# Altium PCB braking_io.PcbDoc (part 2 of 4) (continued)
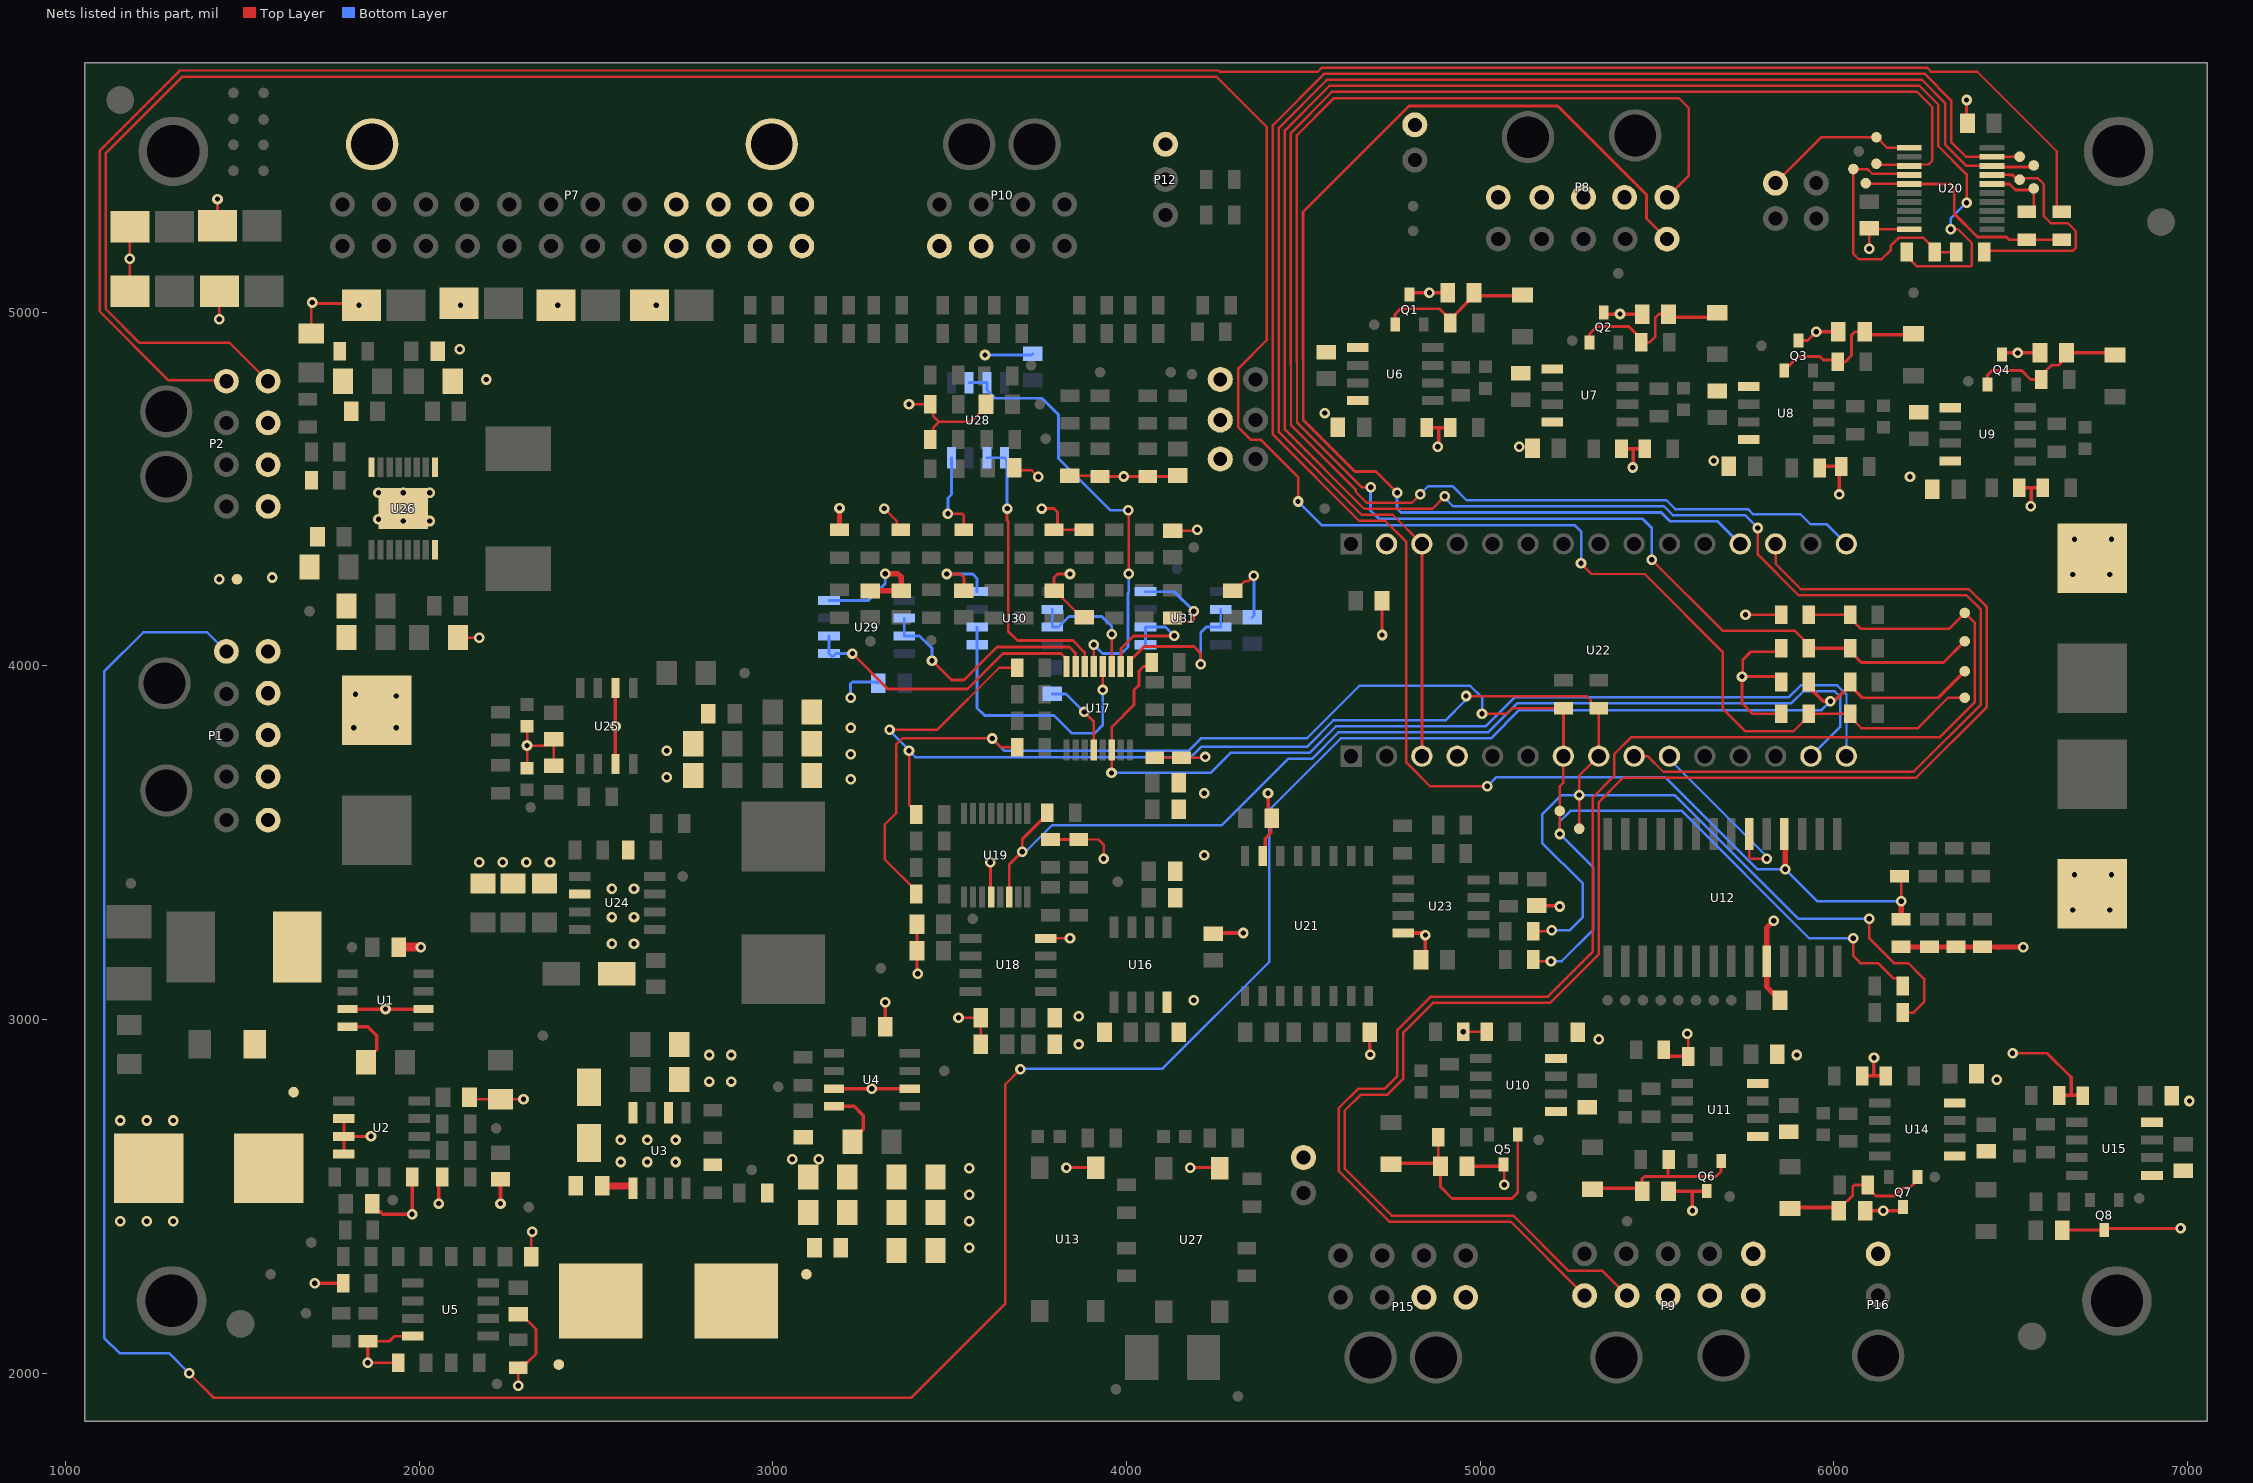
[diagram p4: the nets of this part, all layers, seen from the top]
## Part data (continued)
Q1 Q2 Q3 Q4 Q5 Q6 Q7 Q8: Case/Package=SOT-23, Collector Base Voltage (VCBO)=40V, Collector Emitter Saturation Voltage=-400mV, Continuous Collector Current=-200mA, Emitter Base Voltage (VEBO)=6V, Frequency=250MHz, Manufacturer="Diodes Zetex", Max Collector Current=200mA, Max Operating Temperature=150°C, Max Power Dissipation=300mW, Min Operating Temperature=-55°C, Package Quantity=3000, Voltage Rating (DC)=-40V, Collector Emitter Breakdown Voltage=40V, Collector Emitter Voltage (VCEO)=40V, ComponentLink1Description=https://datasheet.ciiva.com/27052/1540746-27052408.pdf?src-supplier=Jameco, ComponentLink1URL=https://datasheet.ciiva.com/27052/1540746-27052408.pdf?src-supplier=Jameco, ComponentLink2Description=https://datasheet.ciiva.com/15139/getdatasheetpartid-255292-15139821.pdf?src-supplier=Verical, ComponentLink2URL=https://datasheet.ciiva.com/15139/getdatasheetpartid-255292-15139821.pdf?src-supplier=Verical, Contact Plating=Tin,Matte, Current Rating=-200mA, Element Configuration=Single, Gain Bandwidth Product=250MHz, Height=1mm, hFE Min=100, Lead Free="Lead Free", Length=3.05mm, Manufacturer Part Number=MMBT3906-7-F, Max Breakdown Voltage=40V, Max Frequency=250MHz, Mount="Surface Mount", Number of Elements=1, Number of Pins=3, Packaging="Tape and Reel", Polarity=PNP, Power Dissipation=300mW, Pricing 1="1=0.12000, 10=0.11400, 100=0.06190, 500=0.03806, 1000=0.02596 (USD)", Radiation Hardening=No, REACH SVHC="No SVHC", RoHS=Yes, Stock 1=687580, Supplier 1=Digi-Key, Transition Frequency=250MHz, Weight=0.000282oz, Width=1.4mm
R1: library part ERJ-8BSFR18V, "RES SMD 0.18 OHM 1% 1/2W 1206", Digi-Key Part Number=P17683CT-ND, Manufacturer="Panasonic Electronic Components", Operating Temperature="-55°C ~ 125°C", Package / Case="1206 (3216 Metric)", Power (Watts)="0.5W, 1/2W", Supplier Device Package=1206, Temperature Coefficient=±250ppm/°C, Tolerance=±1%, @ qty=1500, Composition="Thick Film", Datasheets=https://industrial.panasonic.com/cdbs/www-data/pdf/RDA0000/AOA0000C239.pdf, Factory Stock=0, Failure Rate=-, Features="Automotive AEC-Q200, Current Sense", Height - Seated (Max)="0.028\" (0.70mm)", Image=//media.digikey.com/Renders/Panasonic%20Renders/ERJ-1206%20Pkg.jpg, Minimum Quantity=1, Number of Terminations=2, Packaging="Cut Tape (CT)", Part Number=ERJ-8BSFR18V, Part Status=Active, Quantity Available=1772, Series=ERJ, Size / Dimension="0.126\" L x 0.063\" W (3.20mm x 1.60mm)", Unit Price (USD)=0.11739
R2 R147: library part CSNL1206FT2L00TR, "RES SMD 0.002 OHM 1% 1W 1206", Case/Package=1206, Case Code (Metric)=3216, Manufacturer="Stackpole Electronics", Manufacturer Part Number=CSNL1206FT2L00, Max Operating Temperature=170°C, Max Power Dissipation=1W, Min Operating Temperature=-55°C, Resistance=2mR, Supplier Part Number 1=CSNL1206FT2L00DKR-ND, Temperature Coefficient=50ppm/°C, Tolerance=1%, Case Code (Imperial)=1206, ComponentLink1Description=https://www.seielect.com/Catalog/SEI-CSNL.pdf?src-supplier=Avnet, ComponentLink1URL=https://www.seielect.com/Catalog/SEI-CSNL.pdf?src-supplier=Avnet, ComponentLink2Description=https://www.seielect.com/catalog/SEI-Packaging.pdf?src-supplier=Digi-Key, ComponentLink2URL=https://www.seielect.com/catalog/SEI-Packaging.pdf?src-supplier=Digi-Key, Composition="Metal Foil", Contact Plating=Tin,Matte, Features="Moisture Resistant", Height=0.035inch, Lead Free="Lead Free", Length=0.126inch, Mount="Surface Mount", Number of Terminations=2, Packaging="Tape and Reel", Power Rating=1W, Pricing 1="1=0.68, 10=0.566, 25=0.4852, 50=0.4366, 100=0.38, 250=0.33956, 500=0.2749, 1000=0.22234 (USD)", Radiation Hardening=No, Stock 1=23112, Supplier 1=Digi-Key, Width=0.063inch
R3 R14: library part ERJ-P06J622V, "RES SMD 6.2K OHM 5% 1/2W 0805", Digi-Key Part Number=P6.2KADCT-ND, Manufacturer="Panasonic Electronic Components", Operating Temperature="-55°C ~ 155°C", Package / Case="0805 (2012 Metric)", Power (Watts)="0.5W, 1/2W", Supplier Device Package=0805, Temperature Coefficient=±200ppm/°C, Tolerance=±5%, @ qty=1500, Composition="Thick Film", Datasheets=https://industrial.panasonic.com/cdbs/www-data/pdf/RDA0000/AOA0000C243.pdf, Factory Stock=0, Failure Rate=-, Features="Automotive AEC-Q200, Pulse Withstanding", Height - Seated (Max)="0.028\" (0.70mm)", Image=//media.digikey.com/Renders/Panasonic%20Renders/ERJ-0805%20Pkg.jpg, Minimum Quantity=1, Number of Terminations=2, Packaging="Cut Tape (CT)", Part Number=ERJ-P06J622V, Part Status=Active, Quantity Available=14652, Series=ERJ, Size / Dimension="0.079\" L x 0.049\" W (2.00mm x 1.25mm)", Unit Price (USD)=0.01839
R4 R23 R24 R31 R33 R39 R40 R57 R58: library part ERJ-P06J104V, "RES SMD 100K OHM 5% 1/2W 0805", Digi-Key Part Number=P100KADCT-ND, Manufacturer="Panasonic Electronic Components", Operating Temperature="-55°C ~ 155°C", Package / Case="0805 (2012 Metric)", Power (Watts)="0.5W, 1/2W", Supplier Device Package=0805, Temperature Coefficient=±200ppm/°C, Tolerance=±5%, @ qty=1500, Composition="Thick Film", Datasheets=https://industrial.panasonic.com/cdbs/www-data/pdf/RDA0000/AOA0000C243.pdf, Factory Stock=0, Failure Rate=-, Features="Automotive AEC-Q200, Pulse Withstanding", Height - Seated (Max)="0.028\" (0.70mm)", Image=//media.digikey.com/Renders/Panasonic%20Renders/ERJ-0805%20Pkg.jpg, Minimum Quantity=1, Number of Terminations=2, Packaging="Cut Tape (CT)", Part Number=ERJ-P06J104V, Part Status=Active, Quantity Available=82264, Series=ERJ, Size / Dimension="0.079\" L x 0.049\" W (2.00mm x 1.25mm)", Unit Price (USD)=0.01839
R5 R13 R16 R73 R74 R75 R76 R93 R94 R95 R96 R105 R106 R152 R155: library part ERJ-6ENF3002V, "RES SMD 30K OHM 1% 1/8W 0805", Digi-Key Part Number=P30.0KCCT-ND, Manufacturer="Panasonic Electronic Components", Operating Temperature="-55°C ~ 155°C", Package / Case="0805 (2012 Metric)", Power (Watts)="0.125W, 1/8W", Supplier Device Package=0805, Temperature Coefficient=±100ppm/°C, Tolerance=±1%, @ qty=1500, Composition="Thick Film", Datasheets=http://industrial.panasonic.com/www-cgi/jvcr13pz.cgi?E+PZ+3+AOA0002+ERJ6ENF3002V+7+WW, Factory Stock=0, Failure Rate=-, Features="Automotive AEC-Q200", Height - Seated (Max)="0.028\" (0.70mm)", Image=//media.digikey.com/Renders/Panasonic%20Renders/ERJ-0805%20Pkg.jpg, Minimum Quantity=1, Number of Terminations=2, Packaging="Cut Tape (CT)", Part Number=ERJ-6ENF3002V, Part Status=Active, Quantity Available=88046, Series=ERJ, Size / Dimension="0.079\" L x 0.049\" W (2.00mm x 1.25mm)", Unit Price (USD)=0.00729
R6 R7 R10 R15 R17 R18 R19 R20 R27 R28 R35 R36 R53 R54 R107 R108 R109 R110 R111 R114 R115 R116 R117 R118 R119 R120 R123 R124 R129 R130 R133 R134 R135 R136 R143 R144 R145 R146 R149 R154 R156 R163 R166: library part ERJ-P06J103V, "RES SMD 10K OHM 5% 1/2W 0805", Digi-Key Part Number=P10KADCT-ND, Manufacturer="Panasonic Electronic Components", Operating Temperature="-55°C ~ 155°C", Package / Case="0805 (2012 Metric)", Power (Watts)="0.5W, 1/2W", Supplier Device Package=0805, Temperature Coefficient=±200ppm/°C, Tolerance=±5%, @ qty=1500, Composition="Thick Film", Datasheets=https://industrial.panasonic.com/cdbs/www-data/pdf/RDA0000/AOA0000C243.pdf, Factory Stock=0, Failure Rate=-, Features="Automotive AEC-Q200, Pulse Withstanding", Height - Seated (Max)="0.028\" (0.70mm)", Image=//media.digikey.com/Renders/Panasonic%20Renders/ERJ-0805%20Pkg.jpg, Minimum Quantity=1, Number of Terminations=2, Packaging="Cut Tape (CT)", Part Number=ERJ-P06J103V, Part Status=Active, Quantity Available=413576, Series=ERJ, Size / Dimension="0.079\" L x 0.049\" W (2.00mm x 1.25mm)", Unit Price (USD)=0.01839
  R107 R108 R109 R110 R111 R116 R117 R118 R120 R123 R143 R144 R145 R146: DNP=DNP
R8: library part ERJ-8BWFR010V, "RES SMD 0.01 OHM 1% 1W 1206", Digi-Key Part Number=P.010AUCT-ND, Manufacturer="Panasonic Electronic Components", Operating Temperature="-55°C ~ 155°C", Package / Case="1206 (3216 Metric)", Power (Watts)=1W, Supplier Device Package=1206, Temperature Coefficient=±200ppm/°C, Tolerance=±1%, @ qty=1500, Composition="Thick Film", Datasheets=https://industrial.panasonic.com/cdbs/www-data/pdf/RDA0000/AOA0000C239.pdf, Factory Stock=0, Failure Rate=-, Features="Automotive AEC-Q200, Current Sense", Height - Seated (Max)="0.030\" (0.75mm)", Image=//media.digikey.com/Renders/Panasonic%20Renders/ERJ-1206%20Pkg.jpg, Minimum Quantity=1, Number of Terminations=2, Packaging="Cut Tape (CT)", Part Number=ERJ-8BWFR010V, Part Status=Active, Quantity Available=20502, Series=ERJ, Size / Dimension="0.126\" L x 0.063\" W (3.20mm x 1.60mm)", Unit Price (USD)=0.23625
R9 R148 R162 R165: library part ERJ-P06J102V, "RES SMD 1K OHM 5% 1/2W 0805", Digi-Key Part Number=P1.0KADCT-ND, Manufacturer="Panasonic Electronic Components", Operating Temperature="-55°C ~ 155°C", Package / Case="0805 (2012 Metric)", Power (Watts)="0.5W, 1/2W", Supplier Device Package=0805, Temperature Coefficient=±200ppm/°C, Tolerance=±5%, @ qty=1500, Composition="Thick Film", Datasheets=https://industrial.panasonic.com/cdbs/www-data/pdf/RDA0000/AOA0000C243.pdf, Factory Stock=0, Failure Rate=-, Features="Automotive AEC-Q200, Pulse Withstanding", Height - Seated (Max)="0.028\" (0.70mm)", Image=//media.digikey.com/Renders/Panasonic%20Renders/ERJ-0805%20Pkg.jpg, Minimum Quantity=1, Number of Terminations=2, Packaging="Cut Tape (CT)", Part Number=ERJ-P06J102V, Part Status=Active, Quantity Available=124757, Series=ERJ, Size / Dimension="0.079\" L x 0.049\" W (2.00mm x 1.25mm)", Unit Price (USD)=0.01839
R11 R150: library part ERJ-P06J331V, "RES SMD 330 OHM 5% 1/2W 0805", Digi-Key Part Number=P330ADCT-ND, Manufacturer="Panasonic Electronic Components", Operating Temperature="-55°C ~ 155°C", Package / Case="0805 (2012 Metric)", Power (Watts)="0.5W, 1/2W", Supplier Device Package=0805, Temperature Coefficient=±200ppm/°C, Tolerance=±5%, @ qty=1500, Composition="Thick Film", Datasheets=https://industrial.panasonic.com/cdbs/www-data/pdf/RDA0000/AOA0000C243.pdf, Factory Stock=0, Failure Rate=-, Features="Automotive AEC-Q200, Pulse Withstanding", Height - Seated (Max)="0.028\" (0.70mm)", Image=//media.digikey.com/Renders/Panasonic%20Renders/ERJ-0805%20Pkg.jpg, Minimum Quantity=1, Number of Terminations=2, Packaging="Cut Tape (CT)", Part Number=ERJ-P06J331V, Part Status=Active, Quantity Available=74125, Series=ERJ, Size / Dimension="0.079\" L x 0.049\" W (2.00mm x 1.25mm)", Unit Price (USD)=0.01839
R12: library part ERJ-6ENF3241V, "RES SMD 3.24K OHM 1% 1/8W 0805", Digi-Key Part Number=P3.24KCCT-ND, Manufacturer="Panasonic Electronic Components", Operating Temperature="-55°C ~ 155°C", Package / Case="0805 (2012 Metric)", Power (Watts)="0.125W, 1/8W", Supplier Device Package=0805, Temperature Coefficient=±100ppm/°C, Tolerance=±1%, @ qty=1500, Composition="Thick Film", Datasheets=http://industrial.panasonic.com/www-cgi/jvcr13pz.cgi?E+PZ+3+AOA0002+ERJ6ENF3241V+7+WW, Factory Stock=0, Failure Rate=-, Features="Automotive AEC-Q200", Height - Seated (Max)="0.028\" (0.70mm)", Image=//media.digikey.com/Renders/Panasonic%20Renders/ERJ-0805%20Pkg.jpg, Minimum Quantity=1, Number of Terminations=2, Packaging="Cut Tape (CT)", Part Number=ERJ-6ENF3241V, Part Status=Active, Quantity Available=47619, Series=ERJ, Size / Dimension="0.079\" L x 0.049\" W (2.00mm x 1.25mm)", Unit Price (USD)=0.00729
R21 R22 R29 R30 R37 R38 R55 R56: library part ERJ-6GEYJ155V, "RES SMD 1.5M OHM 5% 1/8W 0805", Digi-Key Part Number=P1.5MACT-ND, Manufacturer="Panasonic Electronic Components", Operating Temperature="-55°C ~ 155°C", Package / Case="0805 (2012 Metric)", Power (Watts)="0.125W, 1/8W", Supplier Device Package=0805, Temperature Coefficient="-400/ +150ppm/°C", Tolerance=±5%, @ qty=1500, Composition="Thick Film", Datasheets=http://industrial.panasonic.com/www-cgi/jvcr13pz.cgi?E+PZ+3+AOA0001+ERJ6GEYJ155V+7+WW, Factory Stock=0, Failure Rate=-, Features="Automotive AEC-Q200", Height - Seated (Max)="0.028\" (0.70mm)", Image=//media.digikey.com/Renders/Panasonic%20Renders/ERJ-0805%20Pkg.jpg, Minimum Quantity=1, Number of Terminations=2, Packaging="Cut Tape (CT)", Part Number=ERJ-6GEYJ155V, Part Status=Active, Quantity Available=51728, Series=ERJ, Size / Dimension="0.079\" L x 0.049\" W (2.00mm x 1.25mm)", Unit Price (USD)=0.00496
R25 R26 R32 R34 R41 R42 R59 R60 R77 R78 R79 R80 R97 R98 R99 R100: library part ERJ-P06F2000V, "RES SMD 200 OHM 1% 1/2W 0805", Digi-Key Part Number=P16064CT-ND, Manufacturer="Panasonic Electronic Components", Operating Temperature="-55°C ~ 155°C", Package / Case="0805 (2012 Metric)", Power (Watts)="0.5W, 1/2W", Supplier Device Package=0805, Temperature Coefficient=±100ppm/°C, Tolerance=±1%, @ qty=1500, Composition="Thick Film", Datasheets=https://industrial.panasonic.com/cdbs/www-data/pdf/RDA0000/AOA0000C243.pdf, Factory Stock=0, Failure Rate=-, Features="Automotive AEC-Q200, Pulse Withstanding", Height - Seated (Max)="0.028\" (0.70mm)", Image=//media.digikey.com/Renders/Panasonic%20Renders/ERJ-0805%20Pkg.jpg, Minimum Quantity=1, Number of Terminations=2, Packaging="Cut Tape (CT)", Part Number=ERJ-P06F2000V, Part Status=Active, Quantity Available=14258, Series=ERJ, Size / Dimension="0.079\" L x 0.049\" W (2.00mm x 1.25mm)", Unit Price (USD)=0.02534
R43 R44 R45 R46 R47 R48 R49 R50 R51 R52 R61 R62 R63 R64 R65 R66 R67 R68 R69 R70 R71 R72 R81 R82 R83 R84 R85 R86 R87 R88 R89 R90 R91 R92 R101 R102 R112 R113 R121 R122 R125 R126 R127 R128 R131 R137 R138 R139 R140 R141 R153 R157: library part ERJ-6GEY0R00V, "RES SMD 0.0 OHM JUMPER 1/8W 0805", Digi-Key Part Number=P0.0ACT-ND, Manufacturer="Panasonic Electronic Components", Operating Temperature="-55°C ~ 155°C", Package / Case="0805 (2012 Metric)", Power (Watts)="0.125W, 1/8W", Supplier Device Package=0805, Temperature Coefficient=-, Tolerance=Jumper, @ qty=1500, Composition="Thick Film", Datasheets=http://industrial.panasonic.com/www-cgi/jvcr13pz.cgi?E+PZ+3+AOA0001+ERJ6GEY0R00V+7+WW, Factory Stock=0, Failure Rate=-, Features="Automotive AEC-Q200", Height - Seated (Max)="0.028\" (0.70mm)", Image=//media.digikey.com/Renders/Panasonic%20Renders/ERJ-0805%20Pkg.jpg, Minimum Quantity=1, Number of Terminations=2, Packaging="Cut Tape (CT)", Part Number=ERJ-6GEY0R00V, Part Status=Active, Quantity Available=1597627, Series=ERJ, Size / Dimension="0.079\" L x 0.049\" W (2.00mm x 1.25mm)", Unit Price (USD)=0.00544
  R43 R44 R45 R46 R49 R126 R128 R131 R137 R138 R139: DNP=DNP
R103 R104: library part ERJ-P06F1002V, "RES SMD 10K OHM 1% 1/2W 0805", Digi-Key Part Number=P16059CT-ND, Manufacturer="Panasonic Electronic Components", Operating Temperature="-55°C ~ 155°C", Package / Case="0805 (2012 Metric)", Power (Watts)="0.5W, 1/2W", Supplier Device Package=0805, Temperature Coefficient=±100ppm/°C, Tolerance=±1%, @ qty=1500, Composition="Thick Film", Datasheets=https://industrial.panasonic.com/cdbs/www-data/pdf/RDA0000/AOA0000C243.pdf, Factory Stock=0, Failure Rate=-, Features="Automotive AEC-Q200, Pulse Withstanding", Height - Seated (Max)="0.028\" (0.70mm)", Image=//media.digikey.com/Renders/Panasonic%20Renders/ERJ-0805%20Pkg.jpg, Minimum Quantity=1, Number of Terminations=2, Packaging="Cut Tape (CT)", Part Number=ERJ-P06F1002V, Part Status=Active, Quantity Available=42054, Series=ERJ, Size / Dimension="0.079\" L x 0.049\" W (2.00mm x 1.25mm)", Unit Price (USD)=0.02534
R151: library part ERJ-P6WF1801V, "RES SMD 1.8K OHM 1% 1/2W 0805", Digi-Key Part Number=P16888CT-ND, Manufacturer="Panasonic Electronic Components", Operating Temperature="-55°C ~ 155°C", Package / Case="0805 (2012 Metric)", Power (Watts)="0.5W, 1/2W", Supplier Device Package=0805, Temperature Coefficient=±200ppm/°C, Tolerance=±1%, @ qty=1500, Composition="Thick Film", Datasheets=https://industrial.panasonic.com/cdbs/www-data/pdf/RDA0000/AOA0000C243.pdf, Factory Stock=0, Failure Rate=-, Features="Automotive AEC-Q200, Pulse Withstanding", Height - Seated (Max)="0.030\" (0.75mm)", Image=//media.digikey.com/Renders/Panasonic%20Renders/ERJ-0805%20Pkg.jpg, Minimum Quantity=1, Number of Terminations=2, Packaging="Cut Tape (CT)", Part Number=ERJ-P6WF1801V, Part Status=Active, Quantity Available=1027, Series=ERJ, Size / Dimension="0.079\" L x 0.049\" W (2.00mm x 1.25mm)", Unit Price (USD)=0.10507
R158: library part ERJ-6ENF2004V, "RES SMD 2M OHM 1% 1/8W 0805", Digi-Key Part Number=P2.00MCCT-ND, Manufacturer="Panasonic Electronic Components", Operating Temperature="-55°C ~ 155°C", Package / Case="0805 (2012 Metric)", Power (Watts)="0.125W, 1/8W", Supplier Device Package=0805, Temperature Coefficient=±100ppm/°C, Tolerance=±1%, @ qty=1500, Composition="Thick Film", Datasheets=http://industrial.panasonic.com/www-cgi/jvcr13pz.cgi?E+PZ+3+AOA0002+ERJ6ENF2004V+7+WW, Factory Stock=0, Failure Rate=-, Features="Automotive AEC-Q200", Height - Seated (Max)="0.028\" (0.70mm)", Image=//media.digikey.com/Renders/Panasonic%20Renders/ERJ-0805%20Pkg.jpg, Minimum Quantity=1, Number of Terminations=2, Packaging="Cut Tape (CT)", Part Number=ERJ-6ENF2004V, Part Status=Active, Quantity Available=31894, Series=ERJ, Size / Dimension="0.079\" L x 0.049\" W (2.00mm x 1.25mm)", Unit Price (USD)=0.00729
R159: library part ERJ-6ENF4992V, "RES SMD 49.9K OHM 1% 1/8W 0805", Digi-Key Part Number=P49.9KCCT-ND, Manufacturer="Panasonic Electronic Components", Operating Temperature="-55°C ~ 155°C", Package / Case="0805 (2012 Metric)", Power (Watts)="0.125W, 1/8W", Supplier Device Package=0805, Temperature Coefficient=±100ppm/°C, Tolerance=±1%, @ qty=1500, Composition="Thick Film", Datasheets=http://industrial.panasonic.com/www-cgi/jvcr13pz.cgi?E+PZ+3+AOA0002+ERJ6ENF4992V+7+WW, Factory Stock=0, Failure Rate=-, Features="Automotive AEC-Q200", Height - Seated (Max)="0.028\" (0.70mm)", Image=//media.digikey.com/Renders/Panasonic%20Renders/ERJ-0805%20Pkg.jpg, Minimum Quantity=1, Number of Terminations=2, Packaging="Cut Tape (CT)", Part Number=ERJ-6ENF4992V, Part Status=Active, Quantity Available=165139, Series=ERJ, Size / Dimension="0.079\" L x 0.049\" W (2.00mm x 1.25mm)", Unit Price (USD)=0.00729
R160: library part ERJ-6ENF3482V, "RES SMD 34.8K OHM 1% 1/8W 0805", Digi-Key Part Number=P34.8KCCT-ND, Manufacturer="Panasonic Electronic Components", Operating Temperature="-55°C ~ 155°C", Package / Case="0805 (2012 Metric)", Power (Watts)="0.125W, 1/8W", Supplier Device Package=0805, Temperature Coefficient=±100ppm/°C, Tolerance=±1%, @ qty=1500, Composition="Thick Film", Datasheets=http://industrial.panasonic.com/www-cgi/jvcr13pz.cgi?E+PZ+3+AOA0002+ERJ6ENF3482V+7+WW, Factory Stock=0, Failure Rate=-, Features="Automotive AEC-Q200", Height - Seated (Max)="0.028\" (0.70mm)", Image=//media.digikey.com/Renders/Panasonic%20Renders/ERJ-0805%20Pkg.jpg, Minimum Quantity=1, Number of Terminations=2, Packaging="Cut Tape (CT)", Part Number=ERJ-6ENF3482V, Part Status=Active, Quantity Available=31955, Series=ERJ, Size / Dimension="0.079\" L x 0.049\" W (2.00mm x 1.25mm)", Unit Price (USD)=0.00729
R161: library part ERJ-6ENF8662V, "RES SMD 86.6K OHM 1% 1/8W 0805", Digi-Key Part Number=P86.6KCCT-ND, Manufacturer="Panasonic Electronic Components", Operating Temperature="-55°C ~ 155°C", Package / Case="0805 (2012 Metric)", Power (Watts)="0.125W, 1/8W", Supplier Device Package=0805, Temperature Coefficient=±100ppm/°C, Tolerance=±1%, @ qty=1500, Composition="Thick Film", Datasheets=http://industrial.panasonic.com/www-cgi/jvcr13pz.cgi?E+PZ+3+AOA0002+ERJ6ENF8662V+7+WW, Factory Stock=0, Failure Rate=-, Features="Automotive AEC-Q200", Height - Seated (Max)="0.028\" (0.70mm)", Image=//media.digikey.com/Renders/Panasonic%20Renders/ERJ-0805%20Pkg.jpg, Minimum Quantity=1, Number of Terminations=2, Packaging="Cut Tape (CT)", Part Number=ERJ-6ENF8662V, Part Status=Active, Quantity Available=23872, Series=ERJ, Size / Dimension="0.079\" L x 0.049\" W (2.00mm x 1.25mm)", Unit Price (USD)=0.00729
R164 R167: library part ERJ-6ENF2000V, "RES SMD 200 OHM 1% 1/8W 0805", Digi-Key Part Number=P200CCT-ND, Manufacturer="Panasonic Electronic Components", Operating Temperature="-55°C ~ 155°C", Package / Case="0805 (2012 Metric)", Power (Watts)="0.125W, 1/8W", Supplier Device Package=0805, Temperature Coefficient=±100ppm/°C, Tolerance=±1%, @ qty=1500, Composition="Thick Film", Datasheets=http://industrial.panasonic.com/www-cgi/jvcr13pz.cgi?E+PZ+3+AOA0002+ERJ6ENF2000V+7+WW, Factory Stock=0, Failure Rate=-, Features="Automotive AEC-Q200", Height - Seated (Max)="0.028\" (0.70mm)", Image=//media.digikey.com/Renders/Panasonic%20Renders/ERJ-0805%20Pkg.jpg, Minimum Quantity=1, Number of Terminations=2, Packaging="Cut Tape (CT)", Part Number=ERJ-6ENF2000V, Part Status=Active, Quantity Available=150759, Series=ERJ, Size / Dimension="0.079\" L x 0.049\" W (2.00mm x 1.25mm)", Unit Price (USD)=0.00729
TH1 TH2: "NTC THERMISTOR 4.7K OHM 5% 0805", Case/Package=0805, Case Code (Metric)=2012, Current Rating=650uA, Manufacturer=Murata, Max Operating Temperature=125°C, Max Power Dissipation=200mW, Min Operating Temperature=-40°C, Package Quantity=4000, Resistance=4.7kR, Supplier Part Number 1=490-2453-1-ND, Tolerance=5%, Accuracy=3%, Case Code (Imperial)=0805, ComponentLink1Description=https://datasheet.ciiva.com/30488/0900766b81259d06-30488337.pdf?src-supplier=RSComponents, ComponentLink1URL=https://datasheet.ciiva.com/30488/0900766b81259d06-30488337.pdf?src-supplier=RSComponents, ComponentLink2Description=https://datasheet.ciiva.com/2848/r44e-2848550.pdf?src-supplier=Digi-Key, ComponentLink2URL=https://datasheet.ciiva.com/2848/r44e-2848550.pdf?src-supplier=Digi-Key, ComponentLink3Description=https://datasheet.ciiva.com/24155/r44e-24155222.pdf?src-supplier=Future+Electronics, ComponentLink3URL=https://datasheet.ciiva.com/24155/r44e-24155222.pdf?src-supplier=Future+Electronics, ComponentLink4Description=https://datasheet.ciiva.com/2848/r44e-2848551.pdf?src-supplier=Digi-Key, ComponentLink4URL=https://datasheet.ciiva.com/2848/r44e-2848551.pdf?src-supplier=Digi-Key, ComponentLink5Description=https://datasheet.ciiva.com/2848/r44e-2848552.pdf?src-supplier=Digi-Key, ComponentLink5URL=https://datasheet.ciiva.com/2848/r44e-2848552.pdf?src-supplier=Digi-Key, ComponentLink6Description=https://datasheet.ciiva.com/16634/l0770c-16634105.pdf?src-supplier=Avnet+Europe, ComponentLink6URL=https://datasheet.ciiva.com/16634/l0770c-16634105.pdf?src-supplier=Avnet+Europe, ComponentLink7Description=https://datasheet.ciiva.com/3280/l0770c-3280522.pdf?src-supplier=Avnet, ComponentLink7URL=https://datasheet.ciiva.com/3280/l0770c-3280522.pdf?src-supplier=Avnet, Depth=1.25mm, Height=0.85mm, Lead Free="Lead Free", Length=2mm, Manufacturer Part Number=NCP21XM472J03RA, Mount="Surface Mount", Number of Pins=2, Packaging="Tape and Reel", Power Rating=200mW, Pricing 1="1=0.20000, 5=0.19400, 10=0.17300, 25=0.15920, 50=0.12760, 100=0.10930, 500=0.09564, 1000=0.08197 (USD)", Radiation Hardening=No, REACH SVHC="No SVHC", RoHS=Yes, Stock 1=51855, Supplier 1=Digi-Key, Termination=SMD/SMT, Width=1.25mm
TP1 TP2 TP9 TP10 TP11 TP12 TP13 TP14 TP15 TP16 TP17 TP18 TP19 TP20 TP21 TP22 TP23 TP24 TP25 TP26 TP27 TP28 TP29 TP30 TP31 TP32 TP33 TP34 TP35 TP36 TP37 TP38 TP39 TP40 TP41 TP42 TP43 TP44 TP45 TP46 TP47 TP48 TP49 TP50 TP51 TP52 TP53 TP54 TP55 TP56 TP57 TP60 TP61 TP62 TP63 TP64 TP65 TP66 TP67 TP68 TP69 TP70 TP71 TP72 TP73 TP74 TP75 TP76 TP79 TP80 TP81 TP82 TP83 TP84 TP86 TP87 TP88 TP89 TP90 TP91 TP92 TP93: "SMD TEST POINT"
U1: "IC AMP CURRENT SENSE 8-TSSOP 100V/V", Case/Package=TSSOP, Input Bias Current=90uA, Input Offset Voltage (Vos)=5uV, Manufacturer="Texas Instruments", Max Operating Temperature=125°C, Min Operating Temperature=-40°C, Operating Supply Current=1.8mA, Supplier Part Number 1=296-45090-1-ND, -3db Bandwidth=400kHz, ComponentLink1Description=http://www.ti.com/general/docs/lit/getliterature.tsp?genericPartNumber=INA240&fileType=pdf&src-supplier=Farnell, ComponentLink1URL=http://www.ti.com/general/docs/lit/getliterature.tsp?genericPartNumber=INA240&fileType=pdf&src-supplier=Farnell, ComponentLink2Description=http://www.ti.com/lit/ds/symlink/ina240.pdf?src-supplier=Digi-Key, ComponentLink2URL=http://www.ti.com/lit/ds/symlink/ina240.pdf?src-supplier=Digi-Key, Mount="Surface Mount", Number of Circuits=1, Number of Pins=8, Packaging="Tape and Reel", Pricing 1="1=2.65, 10=2.377, 25=2.2428, 100=1.7943, 250=1.56996, 500=1.52512, 1000=1.21113 (USD)", Slew Rate=2V/µs, Stock 1=4680, Supplier 1=Digi-Key
U2 U5 U28 U29 U30 U31: "IC OPAMP JFET 3MHZ 8SOIC", Case/Package=D, Dual Supply Voltage=9V, Input Bias Current=200pA, Input Offset Voltage (Vos)=10mV, Manufacturer="Texas Instruments", Max Dual Supply Voltage=18V, Max Operating Temperature=85°C, Min Dual Supply Voltage=3.5V, Min Operating Temperature=-40°C, Nominal Supply Current=5mA, Operating Supply Current=1.4mA, Package Quantity=1, Supplier Part Number 1=296-1282-6-ND, Voltage Gain=106.02dB, Bandwidth=3MHz, Common Mode Rejection Ratio=70dB, ComponentLink1Description=http://www.ti.com/lit/ds/symlink/tl071a.pdf?src-supplier=Digi-Key, ComponentLink1URL=http://www.ti.com/lit/ds/symlink/tl071a.pdf?src-supplier=Digi-Key, ComponentLink2Description=http://www.ti.com/general/docs/lit/getliterature.tsp?genericPartNumber=TL072&&fileType=pdf&src-supplier=Avnet, ComponentLink2URL=http://www.ti.com/general/docs/lit/getliterature.tsp?genericPartNumber=TL072&&fileType=pdf&src-supplier=Avnet, ComponentLink3Description=http://www.farnell.com/datasheets/1882732.pdf?src-supplier=Element14, ComponentLink3URL=http://www.farnell.com/datasheets/1882732.pdf?src-supplier=Element14, Contact Plating=Gold, Gain Bandwidth Product=3MHz, Height=1.58mm, Lead Free="Lead Free", Length=4.9mm, Max I/O Voltage=10mV, Max Supply Voltage=18V, Nominal Gain Bandwidth Product=3MHz, Number of Amplifiers=2, Number of Channels=2, Number of Circuits=2, Number of Elements=2, Number of Pins=8, Packaging="Tape and Reel", Pricing 1="1=0.41, 10=0.334, 100=0.2059, 500=0.1562, 1000=0.11715 (USD)", Radiation Hardening=No, REACH SVHC="No SVHC", Slew Rate=13V/µs, Stock 1=21821, Supplier 1=Digi-Key, Unity Gain Bandwidth Product=3MHz, Width=3.91mm
  U5: Manufacturer Part Number=TL072CDR
U3 U24: "5.5V to 36V Input, 2A, 500kHz Step-Down Converter", Case/Package=D, Manufacturer="Texas Instruments", Manufacturer Part Number=TPS5420D, Max Input Voltage=36V, Max Operating Temperature=125°C, Max Output Current=2A, Max Output Voltage=31V, Min Input Voltage=5.5V, Min Operating Temperature=-40°C, Min Output Voltage=1.23V, Package Quantity=75, Quiescent Current=3mA, Supplier Part Number 1=296-19671-5-ND, Switching Frequency=500kHz, ComponentLink1Description=https://datasheet.ciiva.com/4880/slvs642c-120503-4880259.pdf?src-supplier=Mouser, ComponentLink1URL=https://datasheet.ciiva.com/4880/slvs642c-120503-4880259.pdf?src-supplier=Mouser, ComponentLink2Description=https://datasheet.ciiva.com/15113/getdatasheetpartid-188336-15113748.pdf?src-supplier=Verical, ComponentLink2URL=https://datasheet.ciiva.com/15113/getdatasheetpartid-188336-15113748.pdf?src-supplier=Verical, ComponentLink3Description=https://datasheet.ciiva.com/27051/1113040-27051457.pdf?src-supplier=Jameco, ComponentLink3URL=https://datasheet.ciiva.com/27051/1113040-27051457.pdf?src-supplier=Jameco, ComponentLink4Description=https://datasheet.ciiva.com/26896/tps5420d-26896666.pdf?src-supplier=IIIC, ComponentLink4URL=https://datasheet.ciiva.com/26896/tps5420d-26896666.pdf?src-supplier=IIIC, ComponentLink5Description=https://datasheet.ciiva.com/2026/tps5420-2026757.pdf?src-supplier=Digi-Key, ComponentLink5URL=https://datasheet.ciiva.com/2026/tps5420-2026757.pdf?src-supplier=Digi-Key, ComponentLink6Description=https://datasheet.ciiva.com/7993/1764415-7993820.pdf?src-supplier=Element14, ComponentLink6URL=https://datasheet.ciiva.com/7993/1764415-7993820.pdf?src-supplier=Element14, ComponentLink7Description=https://datasheet.ciiva.com/3220/tps5420-3220182.pdf?src-supplier=Avnet, ComponentLink7URL=https://datasheet.ciiva.com/3220/tps5420-3220182.pdf?src-supplier=Avnet, ComponentLink8Description=https://datasheet.ciiva.com/26248/tps5420-26248554.pdf?src-supplier=Avnet+Europe, ComponentLink8URL=https://datasheet.ciiva.com/26248/tps5420-26248554.pdf?src-supplier=Avnet+Europe, Efficiency=95%, Height=1.58mm, Lead Free="Lead Free", Length=4.9mm, Number of Outputs=1, Number of Pins=8, Operating Supply Voltage=36V, Output Current=2A, Output Type=Adjustable, Output Voltage=31V, Packaging=Rail/Tube, Pricing 1="1=3.78000, 10=3.39400, 75=3.20853, 150=2.78073, 525=2.36716, 1050=1.99640, 2550=1.89658, 5025=1.82528 (USD)", Radiation Hardening=No, REACH SVHC="No SVHC", RoHS=Yes, Stock 1=5221, Supplier 1=Digi-Key, Synchronous Rectifier=No, Weight=0.002677oz, Width=3.91mm
U4 U25: "IC AMP CURRENT SENSE 8-TSSOP 100V/V", Case/Package=TSSOP, Input Bias Current=90uA, Input Offset Voltage (Vos)=5uV, Manufacturer="Texas Instruments", Manufacturer Part Number=INA240A3PWR, Max Operating Temperature=125°C, Min Operating Temperature=-40°C, Operating Supply Current=1.8mA, Supplier Part Number 1=296-45090-1-ND, -3db Bandwidth=400kHz, ComponentLink1Description=http://www.ti.com/general/docs/lit/getliterature.tsp?genericPartNumber=INA240&fileType=pdf&src-supplier=Farnell, ComponentLink1URL=http://www.ti.com/general/docs/lit/getliterature.tsp?genericPartNumber=INA240&fileType=pdf&src-supplier=Farnell, ComponentLink2Description=http://www.ti.com/lit/ds/symlink/ina240.pdf?src-supplier=Digi-Key, ComponentLink2URL=http://www.ti.com/lit/ds/symlink/ina240.pdf?src-supplier=Digi-Key, Mount="Surface Mount", Number of Circuits=1, Number of Pins=8, Packaging="Tape and Reel", Pricing 1="1=2.65, 10=2.377, 25=2.2428, 100=1.7943, 250=1.56996, 500=1.52512, 1000=1.21113 (USD)", Slew Rate=2V/µs, Stock 1=4680, Supplier 1=Digi-Key
U12: "IC I/O EXPANDER I2C 16B 28SOIC", Manufacturer=Microchip, Digikey Link=https://www.digikey.com/product-detail/en/microchip-technology/MCP23017T-E-SO/MCP23017T-E-SOCT-ND/5358289, Digikey P/N=MCP23017T-E/SOCT-ND, Manufacturer P/N=MCP23017T-E/SO
U13 U27: "OPTOISO 5KV TRANS 4SOP", Manufacturer="Taiwan Semi", Manufacturer P/N="TPC817S1B RAG", Digikey Link=https://www.digikey.com/product-detail/en/taiwan-semiconductor-corporation/TPC817S1B-RAG/TPC817S1BRAGCT-ND/7359679, Digikey P/N=TPC817S1BRAGCT-ND
U16 U18: "IC VREF SERIES 4.5V 8SOIC", Case/Package=R, Manufacturer="Analog Devices", Max Input Voltage=18V, Max Operating Temperature=85°C, Max Output Current=30mA, Max Output Voltage=4.5V, Min Input Voltage=4.75V, Min Operating Temperature=-40°C, Min Output Voltage=4.49V, Nominal Supply Current=45uA, Package Quantity=98, Quiescent Current=15uA, Supplier Part Number 1=REF194GSZ-ND, Temperature Coefficient=25ppm/°C, ComponentLink1Description=https://datasheet.ciiva.com/17219/ref19xseries-17219157.pdf?src-supplier=Avnet+Europe, ComponentLink1URL=https://datasheet.ciiva.com/17219/ref19xseries-17219157.pdf?src-supplier=Avnet+Europe, ComponentLink2Description=https://datasheet.ciiva.com/22666/1506113-22666153.pdf?src-supplier=Element14, ComponentLink2URL=https://datasheet.ciiva.com/22666/1506113-22666153.pdf?src-supplier=Element14, ComponentLink3Description=https://datasheet.ciiva.com/2005/ref19xseries-2005902.pdf?src-supplier=Digi-Key, ComponentLink3URL=https://datasheet.ciiva.com/2005/ref19xseries-2005902.pdf?src-supplier=Digi-Key, ComponentLink4Description=https://datasheet.ciiva.com/3235/ref19xseries-3235518.pdf?src-supplier=Avnet, ComponentLink4URL=https://datasheet.ciiva.com/3235/ref19xseries-3235518.pdf?src-supplier=Avnet, Height=1.5mm, Lead Free="Contains Lead", Length=5mm, Manufacturer Part Number=REF194GSZ, Number of Channels=1, Number of Pins=8, Operating Supply Current=45uA, Output Current=30mA, Output Voltage=4.5V, Packaging=Rail/Tube, Pricing 1="1=3.56000, 10=3.19700, 25=3.02240, 100=2.61940, 250=2.48512, 500=2.22988, 1000=1.88062, 2500=1.78659 (USD)", Radiation Hardening=No, REACH SVHC="No SVHC", Reference Type=Series, Reference Voltage=4.5V, RoHS=Yes, Stock 1=359, Supplier 1=Digi-Key, Width=4mm
U17 U19: "Analog to Digital Converters - ADC", Case/Package=TSSOP, Manufacturer="TI National Semiconductor", Max Operating Temperature=125°C, Max Power Dissipation=33mW, Max Supply Voltage=5.5V, Min Operating Temperature=-40°C, Min Supply Voltage=3V, Package Quantity=2500, Power Consumption=2mW, Power Dissipation=2.01mW, Supplier Part Number 1=296-41182-1-ND, ComponentLink1Description=https://datasheet.ciiva.com/14259/adc128d818-14259977.pdf?src-supplier=Avnet, ComponentLink1URL=https://datasheet.ciiva.com/14259/adc128d818-14259977.pdf?src-supplier=Avnet, Contact Plating=Tin,Matte, Differential Nonlinearity=1LSB, Integral Nonlinearity (INL)=-2LSB, Interface=I2C, Lead Free="Lead Free", Manufacturer Part Number=ADC128D818CIMTX/NOPB, Mount="Surface Mount", Number of A/D Converters=1, Number of Bits=12, Number of Channels=8, Number of Converters=4, Number of Elements=1, Number of Inputs=8, Number of Pins=16, Packaging="Tape and Reel", Polarity=Unipolar, Pricing 1="1=4.68000, 10=4.20700, 100=3.44660, 500=2.93402, 1000=2.47447 (USD)", Radiation Hardening=No, Resolution=12b, RoHS=Yes, Sampling Rate=10000S/s, Stock 1=21177, Supplier 1=Digi-Key, Supply Type=Analog,Digital,Single